# KiCad board SparkFun_IM19_IMU_Breakout_panelized.kicad_pcb (continued)
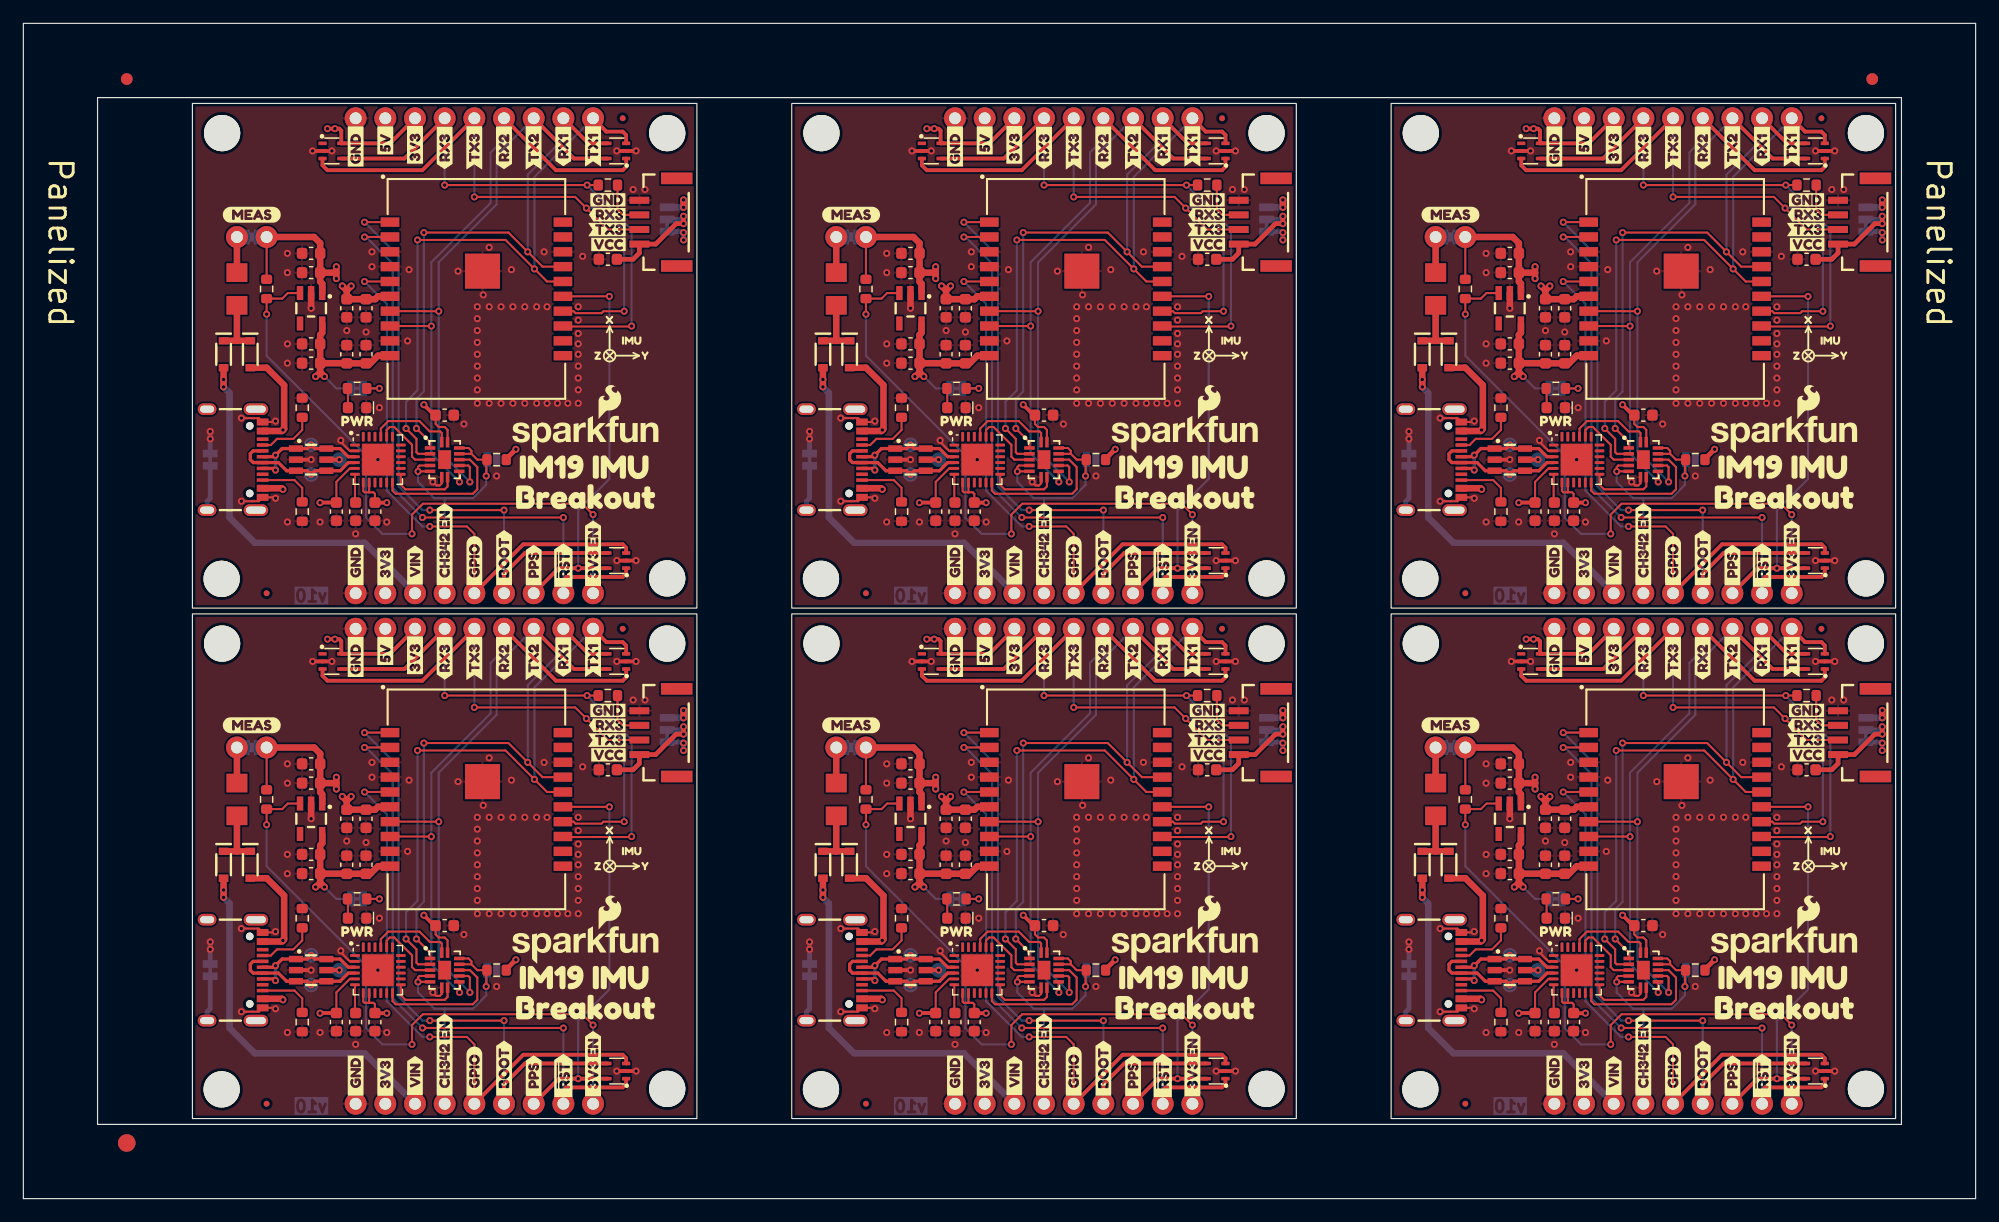
[diagram p0: board, top side]
## Routing (per net, layer and track width the routed paths; a pad name or vN(x,y) marks a point on that pad's centre or on a via; arc(x,y) is an arc through that point) (continued)
  In2.Cu w0.559: v1(26.79,78.72) 26.79,88.25 J2#3.8 35.43,88 53.97,88 v1(56.51,85.46) v1(56.51,84.82) ; v1(78.09,78.72) 78.09,88.25 J2#4.8 86.72,88 105.27,88 v1(107.81,85.46) v1(107.81,84.82) ; v1(159.11,84.82) v1(159.11,85.46) 156.57,88 138.03,88 J2#6.8 129.39,88.25 v1(129.39,78.72) ; v1(129.39,35.04) 129.39,44.57 J2#5.8 138.03,44.31 156.57,44.31 v1(159.11,41.78) v1(159.11,41.14) ; v1(78.09,35.04) 78.09,44.57 J2#2.8 86.72,44.31 105.27,44.31 v1(107.81,41.78) v1(107.81,41.14) ; v1(56.51,41.14) v1(56.51,41.78) 53.97,44.31 35.43,44.31 J2.8 26.79,44.57 v1(26.79,35.04)
  Bottom w0.559: VCC.1#4.3 v1(159.11,84.82) v1(159.11,85.46) ; v1(107.81,85.46) v1(107.81,84.82) VCC.1#3.3 ; v1(107.81,41.78) v1(107.81,41.14) VCC.1#5.3 ; v1(159.11,41.78) v1(159.11,41.14) VCC.1#6.3 ; v1(56.51,85.46) v1(56.51,84.82) VCC.1#2.3 ; VCC.1.3 v1(56.51,41.14) v1(56.51,41.78)
GND: length 116.5
  Top w0.178: v1(129.77,64.88) 129.77,64.75 130.54,63.98 U1#5.2 ; U1#3.2 79.24,63.98 78.47,64.75 v1(78.47,64.88) ; v1(69.96,23.11) 71.45,23.11 J3#2.GND 72.81,22.78 v1(72.88,22.85) ; U1.2 27.94,20.3 27.17,21.07 v1(27.17,21.2) ; v1(72.88,16.25) 72.81,16.33 J3#2.GND 71.45,15.99 v1(69.96,15.99) ; v1(86.34,17.64) 86.65,17.34 86.93,17.34 87.11,17.52 U4#4.7 ; U1#4.2 79.24,20.3 78.47,21.07 v1(78.47,21.2) ; v1(124.18,22.85) 124.11,22.78 J3#3.GND 122.75,23.11 v1(121.26,23.11) ; v1(124.18,16.25) 124.11,16.33 J3#3.GND 122.75,15.99 v1(121.26,15.99) ; U4.7 138.41,17.52 138.23,17.34 137.95,17.34 v1(137.64,17.64) ; v1(21.58,22.85) 21.51,22.78 J3.GND 20.15,23.11 v1(18.66,23.11) ; v1(72.88,66.53) 72.81,66.45 J3#4.GND 71.45,66.79 v1(69.96,66.79) ; v1(129.77,21.2) 129.77,21.07 130.54,20.3 U1#6.2 ; v1(18.66,66.79) 20.15,66.79 J3#6.GND 21.51,66.45 v1(21.58,66.53) ; v1(21.58,16.25) 21.51,16.33 J3.GND 20.15,15.99 v1(18.66,15.99) ; U4#2.7 35.81,17.52 35.63,17.34 35.35,17.34 v1(35.04,17.64) ; v1(124.18,59.93) 124.11,60 J3#5.GND 122.75,59.67 v1(121.26,59.67) ; v1(27.17,64.88) 27.17,64.75 27.94,63.98 U1#2.2 ; v1(21.58,59.93) 21.51,60 J3#6.GND 20.15,59.67 v1(18.66,59.67) ; v1(72.88,59.93) 72.81,60 J3#4.GND 71.45,59.67 v1(69.96,59.67) ; v1(121.26,66.79) 122.75,66.79 J3#5.GND 124.11,66.45 v1(124.18,66.53) ; v1(35.04,61.33) 35.35,61.02 35.63,61.02 35.81,61.2 U4#3.7 ; U4#5.7 87.11,61.2 86.93,61.02 86.65,61.02 v1(86.34,61.33) ; U4#6.7 138.41,61.2 138.23,61.02 137.95,61.02 v1(137.64,61.33)
  Top w0.33: v1(127.36,45.97) D5#5.2 v1(129.01,45.97) ; v1(24.76,89.65) D5#3.2 v1(26.41,89.65) ; v1(26.41,45.97) D5.2 v1(24.76,45.97) ; v1(50.79,10.91) D7.2 v1(52.44,10.91) ; v1(52.44,89.65) D4#3.2 v1(50.79,89.65) ; v1(153.39,89.65) D4#6.2 v1(155.04,89.65) ; v1(52.44,54.59) D7#4.2 v1(50.79,54.59) ; v1(103.74,54.59) D7#5.2 v1(102.09,54.59) ; v1(77.71,45.97) D5#2.2 v1(76.06,45.97) ; v1(76.06,89.65) D5#6.2 v1(77.71,89.65) ; v1(103.74,10.91) D7#3.2 v1(102.09,10.91) ; D6#2.2 v1(24.63,63.23) ; v1(155.04,54.59) D7#2.2 v1(153.39,54.59) ; D6#4.2 v1(127.23,19.55) ; D6#5.2 v1(127.23,63.23) ; v1(102.09,89.65) D4#5.2 v1(103.74,89.65) ; v1(50.79,45.97) D4.2 v1(52.44,45.97) ; v1(102.09,45.97) D4#2.2 v1(103.74,45.97) ; D6.2 v1(24.63,19.55) ; v1(129.01,89.65) D5#4.2 v1(127.36,89.65) ; D6#3.2 v1(75.93,19.55) ; D6#6.2 v1(75.93,63.23) ; v1(155.04,10.91) D7#6.2 v1(153.39,10.91) ; v1(153.39,45.97) D4#4.2 v1(155.04,45.97)
  Top w0.559: U3.2 v1(24.63,32.5) ; U3#5.2 v1(75.93,32.5) ; U3#4.2 v1(127.23,32.5) ; U3#3.2 v1(75.93,76.18) ; U3#6.2 v1(127.23,76.18) ; U3#2.2 v1(24.63,76.18)
  In1.Cu w0.406: v1(67.29,65.01) v1(67.29,65.64) ; v1(67.29,21.33) v1(67.29,21.96) ; v1(118.59,21.33) v1(118.59,21.96) ; v1(118.59,65.01) v1(118.59,65.64) ; v1(15.99,65.01) v1(15.99,65.64) ; v1(15.99,21.33) v1(15.99,21.96)
  Bottom w0.406: SHLD1.1 v1(15.99,21.33) v1(15.99,21.96) ; v1(67.29,21.96) v1(67.29,21.33) SHLD1#4.1 ; SHLD1#3.1 v1(15.99,65.01) v1(15.99,65.64) ; v1(67.29,65.64) v1(67.29,65.01) SHLD1#2.1 ; v1(118.59,21.96) v1(118.59,21.33) SHLD1#5.1 ; v1(118.59,65.64) v1(118.59,65.01) SHLD1#6.1
  vias: v1(22.6,80.88) v1(22.6,79.23) v1(22.6,73.14) v1(22.6,71.48) v1(22.6,57.9) v1(22.6,37.2) v1(22.6,35.55) v1(22.6,29.46) v1(22.6,27.81) v1(22.6,14.22) v1(25.39,57.9) v1(25.39,14.22) v1(27.68,74.28) v1(27.68,30.6) v1(28.44,56.88) v1(28.44,13.2) v1(29.33,74.15) v1(29.33,30.47) v1(29.84,81.01) v1(29.84,79.74) v1(29.84,37.33) v1(29.84,36.06) v1(30.34,63.23) v1(30.34,19.55) v1(30.47,67.68) v1(30.47,24) v1(31.11,57.9) v1(31.11,14.22) v1(32.89,73.39) v1(32.89,29.71) v1(33.01,79.49) v1(33.01,35.81) v1(37.2,79.36) v1(37.2,35.68) v1(37.71,66.28) v1(37.71,22.6) v1(38.85,76.31) v1(38.85,75.3) v1(38.85,74.28) v1(38.85,73.26) v1(38.85,72.25) v1(38.85,71.23) v1(38.85,70.22) v1(38.85,69.2) v1(38.85,68.06) v1(38.85,32.63) v1(38.85,31.62) v1(38.85,30.6) v1(38.85,29.58) v1(38.85,28.57) v1(38.85,27.55) v1(38.85,26.53) v1(38.85,25.52) v1(38.85,24.38) v1(39.36,77.33) v1(39.36,33.65) v1(39.87,81.39) v1(39.87,76.31) v1(39.87,68.06) v1(39.87,37.71) v1(39.87,32.63) v1(39.87,24.38) v1(40.5,61.83) v1(40.5,18.15) v1(40.89,76.31) v1(40.89,68.06) v1(40.89,32.63) v1(40.89,24.38) v1(41.78,79.49) v1(41.78,35.81) v1(41.9,76.31) v1(41.9,68.06) v1(41.9,32.63) v1(41.9,24.38) v1(42.92,76.31) v1(42.92,68.06) v1(42.92,32.63) v1(42.92,24.38) v1(43.93,76.31) v1(43.93,68.06) v1(43.93,32.63) v1(43.93,24.38) v1(44.57,81.01) v1(44.57,37.33) v1(44.82,76.31) v1(44.82,68.06) v1(44.82,32.63) v1(44.82,24.38) v1(45.71,68.06) v1(45.71,24.38) v1(46.6,68.06) v1(46.6,24.38) v1(47.49,76.31) v1(47.49,75.17) v1(47.49,74.03) v1(47.49,73.14) v1(47.49,72.25) v1(47.49,71.23) v1(47.49,70.22) v1(47.49,69.2) v1(47.49,68.06) v1(47.49,32.63) v1(47.49,31.49) v1(47.49,30.34) v1(47.49,29.46) v1(47.49,28.57) v1(47.49,27.55) v1(47.49,26.53) v1(47.49,25.52) v1(47.49,24.38) v1(47.87,80.63) v1(47.87,36.95) v1(52.19,86.34) v1(52.19,42.66) v1(53.21,86.34) v1(53.21,42.66) v1(73.9,80.88) v1(73.9,79.23) v1(73.9,73.14) v1(73.9,71.48) v1(73.9,57.9) v1(73.9,37.2) v1(73.9,35.55) v1(73.9,29.46) v1(73.9,27.81) v1(73.9,14.22) v1(76.69,57.9) v1(76.69,14.22) v1(78.98,74.28) v1(78.98,30.6) v1(79.74,56.88) v1(79.74,13.2) v1(80.63,74.15) v1(80.63,30.47) v1(81.14,81.01) v1(81.14,79.74) v1(81.14,37.33) v1(81.14,36.06) v1(81.65,63.23) v1(81.65,19.55) v1(81.77,67.68) v1(81.77,24) v1(82.41,57.9) v1(82.41,14.22) v1(84.19,73.39) v1(84.19,29.71) v1(84.31,79.49) v1(84.31,35.81) v1(88.5,79.36) v1(88.5,35.68) v1(89.01,66.28) v1(89.01,22.6) v1(90.15,76.31) v1(90.15,75.3) v1(90.15,74.28) v1(90.15,73.26) v1(90.15,72.25) v1(90.15,71.23) v1(90.15,70.22) v1(90.15,69.2) v1(90.15,68.06) v1(90.15,32.63) v1(90.15,31.62) v1(90.15,30.6) v1(90.15,29.58) v1(90.15,28.57) v1(90.15,27.55) v1(90.15,26.53) v1(90.15,25.52) v1(90.15,24.38) v1(90.66,77.33) v1(90.66,33.65) v1(91.17,81.39) v1(91.17,76.31) v1(91.17,68.06) v1(91.17,37.71) v1(91.17,32.63) v1(91.17,24.38) v1(91.81,61.83) v1(91.81,18.15) v1(92.19,76.31) v1(92.19,68.06) v1(92.19,32.63) v1(92.19,24.38) v1(93.08,79.49) v1(93.08,35.81) v1(93.2,76.31) v1(93.2,68.06) v1(93.2,32.63) v1(93.2,24.38) v1(94.22,76.31) v1(94.22,68.06) v1(94.22,32.63) v1(94.22,24.38) v1(95.23,76.31) v1(95.23,68.06) v1(95.23,32.63) v1(95.23,24.38) v1(95.87,81.01) v1(95.87,37.33) v1(96.12,76.31) v1(96.12,68.06) v1(96.12,32.63) v1(96.12,24.38) v1(97.01,68.06) v1(97.01,24.38) v1(97.9,68.06) v1(97.9,24.38) v1(98.79,76.31) v1(98.79,75.17) v1(98.79,74.03) v1(98.79,73.14) v1(98.79,72.25) v1(98.79,71.23) v1(98.79,70.22) v1(98.79,69.2) v1(98.79,68.06) v1(98.79,32.63) v1(98.79,31.49) v1(98.79,30.34) v1(98.79,29.46) v1(98.79,28.57) v1(98.79,27.55) v1(98.79,26.53) v1(98.79,25.52) v1(98.79,24.38) v1(99.17,80.63) v1(99.17,36.95) v1(103.49,86.34) v1(103.49,42.66) v1(104.5,86.34) v1(104.5,42.66) v1(125.2,80.88) v1(125.2,79.23) v1(125.2,73.14) v1(125.2,71.48) v1(125.2,57.9) v1(125.2,37.2) v1(125.2,35.55) v1(125.2,29.46) v1(125.2,27.81) v1(125.2,14.22) v1(127.99,57.9) v1(127.99,14.22) v1(130.28,74.28) v1(130.28,30.6) v1(131.04,56.88) v1(131.04,13.2) v1(131.93,74.15) v1(131.93,30.47) v1(132.44,81.01) v1(132.44,79.74) v1(132.44,37.33) v1(132.44,36.06) v1(132.94,63.23) v1(132.94,19.55) v1(133.07,67.68) v1(133.07,24) v1(133.71,57.9) v1(133.71,14.22) v1(135.49,73.39) v1(135.49,29.71) v1(135.61,79.49) v1(135.61,35.81) v1(139.8,79.36) v1(139.8,35.68) v1(140.31,66.28) v1(140.31,22.6) v1(141.45,76.31) v1(141.45,75.3) v1(141.45,74.28) v1(141.45,73.26) v1(141.45,72.25) v1(141.45,71.23) v1(141.45,70.22) v1(141.45,69.2) v1(141.45,68.06) v1(141.45,32.63) v1(141.45,31.62) v1(141.45,30.6) v1(141.45,29.58) v1(141.45,28.57) v1(141.45,27.55) v1(141.45,26.53) v1(141.45,25.52) v1(141.45,24.38) v1(141.96,77.33) v1(141.96,33.65) v1(142.47,81.39) v1(142.47,76.31) v1(142.47,68.06) v1(142.47,37.71) v1(142.47,32.63) v1(142.47,24.38) v1(143.11,61.83) v1(143.11,18.15) v1(143.49,76.31) v1(143.49,68.06) v1(143.49,32.63) v1(143.49,24.38) v1(144.38,79.49) v1(144.38,35.81) v1(144.5,76.31) v1(144.5,68.06) v1(144.5,32.63) v1(144.5,24.38) v1(145.52,76.31) v1(145.52,68.06) v1(145.52,32.63) v1(145.52,24.38) v1(146.53,76.31) v1(146.53,68.06) v1(146.53,32.63) v1(146.53,24.38) v1(147.17,81.01) v1(147.17,37.33) v1(147.42,76.31) v1(147.42,68.06) v1(147.42,32.63) v1(147.42,24.38) v1(148.31,68.06) v1(148.31,24.38) v1(149.2,68.06) v1(149.2,24.38) v1(150.09,76.31) v1(150.09,75.17) v1(150.09,74.03) v1(150.09,73.14) v1(150.09,72.25) v1(150.09,71.23) v1(150.09,70.22) v1(150.09,69.2) v1(150.09,68.06) v1(150.09,32.63) v1(150.09,31.49) v1(150.09,30.34) v1(150.09,29.46) v1(150.09,28.57) v1(150.09,27.55) v1(150.09,26.53) v1(150.09,25.52) v1(150.09,24.38) v1(150.47,80.63) v1(150.47,36.95) v1(154.79,86.34) v1(154.79,42.66) v1(155.8,86.34) v1(155.8,42.66)
VIN: length 197.1
  Top w0.559: D2.2 v1(17.14,26.41) v1(17.14,25.77) ; v1(119.74,69.45) v1(119.74,70.09) D2#5.2 ; D2#4.2 v1(68.44,26.41) v1(68.44,25.77) ; v1(17.14,69.45) v1(17.14,70.09) D2#2.2 ; D2#3.2 v1(68.44,70.09) v1(68.44,69.45) ; D2#6.2 v1(119.74,26.41) v1(119.74,25.77)
  In2.Cu w0.559: v1(17.14,70.09) v1(17.14,69.45) ; v1(68.44,70.09) v1(68.44,69.45) ; v1(68.44,26.41) v1(68.44,25.77) ; v1(17.14,26.41) v1(17.14,25.77) ; v1(119.74,26.41) v1(119.74,25.77) ; v1(119.74,70.09) v1(119.74,69.45)
  Bottom w0.559: J4#6.7 131.8,56.12 122.4,56.12 120.25,58.28 120.25,68.94 v1(119.74,69.45) v1(119.74,70.09) ; v1(119.74,26.41) v1(119.74,25.77) 120.25,25.27 120.25,14.6 122.4,12.44 131.8,12.44 J4#2.7 ; v1(17.14,70.09) v1(17.14,69.45) 17.65,68.94 17.65,58.28 19.8,56.12 29.2,56.12 J4#4.7 ; v1(17.14,26.41) v1(17.14,25.77) 17.65,25.27 17.65,14.6 19.8,12.44 29.2,12.44 J4.7 ; J4#3.7 80.5,12.44 71.1,12.44 68.94,14.6 68.94,25.27 v1(68.44,25.77) v1(68.44,26.41) ; J4#5.7 80.5,56.12 71.1,56.12 68.94,58.28 68.94,68.94 v1(68.44,69.45) v1(68.44,70.09)
BOOT: length 325.3
  Top w0.178: v1(92.44,58.91) v1(86.09,58.91) ; v1(80.5,83.55) 80.51,83.56 82.68,83.56 ; v1(29.2,83.55) 29.21,83.56 31.38,83.56 ; v1(131.8,83.55) 131.81,83.56 133.98,83.56 ; v1(143.74,58.91) v1(137.39,58.91) ; U2#6.1 131.81,39.88 v1(131.8,39.87) ; v1(143.74,15.23) v1(137.39,15.23) ; v1(29.2,39.87) 29.21,39.88 U2.1 ; v1(41.14,58.91) v1(34.79,58.91) ; v1(80.5,39.87) 80.51,39.88 U2#4.1 ; v1(41.14,15.23) v1(34.79,15.23) ; v1(92.44,15.23) v1(86.09,15.23)
  Top w0.33: J4#4.4 41.14,53.45 42.93,55.24 D7#4.4 ; J4#2.4 143.74,9.77 145.53,11.56 D7#6.4 ; J4#5.4 92.44,53.45 94.23,55.24 D7#5.4 ; D7#3.4 94.23,11.56 92.44,9.77 J4#3.4 ; D7.4 42.93,11.56 41.14,9.77 J4.4 ; J4#6.4 143.74,53.45 145.53,55.24 D7#2.4
  Bottom w0.178: v1(137.39,58.91) 136.75,58.91 134.72,60.94 134.72,80.63 v1(131.8,83.55) ; v1(34.79,15.23) 34.16,15.23 32.12,17.26 32.12,36.95 v1(29.2,39.87) ; J4#2.4 v1(143.74,15.23) ; v1(29.2,83.55) 32.12,80.63 32.12,60.94 34.16,58.91 v1(34.79,58.91) ; v1(137.39,15.23) 136.75,15.23 134.72,17.26 134.72,36.95 v1(131.8,39.87) ; J4.4 v1(41.14,15.23) ; v1(80.5,83.55) 83.42,80.63 83.42,60.94 85.46,58.91 v1(86.09,58.91) ; J4#6.4 v1(143.74,58.91) ; J4#5.4 v1(92.44,58.91) ; J4#4.4 v1(41.14,58.91) ; v1(80.5,39.87) 83.42,36.95 83.42,17.26 85.46,15.23 v1(86.09,15.23) ; J4#3.4 v1(92.44,15.23)
CH342_EN: length 156.1
  Top w0.178: U4#4.6 85.09,18.55 v1(85.08,18.54) 85.08,18.92 85.21,19.05 U4#4.5 ; U4#3.12 38.35,63.73 ; 38.35,63.73 38.35,63.98 38.11,64.23 U4#3.13 ; 38.35,63.73 38.85,63.23 R2#3.1 39.62,63.17 v1(39.62,61.83) ; U4.12 140.95,20.05 ; 140.95,20.05 140.95,20.3 140.71,20.55 U4.13 ; 140.95,20.05 141.45,19.55 R2#4.1 142.22,19.49 v1(142.22,18.15) ; U4#3.5 33.91,62.73 33.78,62.6 v1(33.78,62.22) 33.79,62.23 U4#3.6 ; v1(39.62,18.15) 39.62,19.49 R2.1 38.85,19.55 38.35,20.05 ; 140.95,63.73 140.95,63.98 140.71,64.23 U4#6.13 ; 140.95,63.73 141.45,63.23 R2#2.1 142.22,63.17 v1(142.22,61.83) ; 140.95,63.73 U4#6.12 ; U4#4.13 89.41,20.55 89.65,20.3 89.65,20.05 ; U4#2.5 33.91,19.05 33.78,18.92 v1(33.78,18.54) 33.79,18.55 U4#2.6 ; 89.65,20.05 90.15,19.55 R2#6.1 90.92,19.49 v1(90.92,18.15) ; 89.65,20.05 U4#4.12 ; U4#5.6 85.09,62.23 v1(85.08,62.22) 85.08,62.6 85.21,62.73 U4#5.5 ; U4#5.13 89.41,64.23 89.65,63.98 89.65,63.73 ; U4.5 136.51,19.05 136.38,18.92 v1(136.38,18.54) 136.39,18.55 U4.6 ; 89.65,63.73 90.15,63.23 R2#5.1 90.92,63.17 v1(90.92,61.83) ; 89.65,63.73 U4#5.12 ; 38.35,20.05 38.35,20.3 38.11,20.55 U4#2.13 ; 38.35,20.05 U4#2.12 ; U4#6.5 136.51,62.73 136.38,62.6 v1(136.38,62.22) 136.39,62.23 U4#6.6
  Bottom w0.178: CH342_EN.1#3.2 142.29,61.91 v1(142.22,61.83) 142.22,61.07 141.07,59.93 138.66,59.93 ; v1(85.08,62.22) 85.07,62.21 85.07,61.33 86.47,59.93 87.36,59.93 ; 36.06,59.93 38.47,59.93 39.62,61.07 v1(39.62,61.83) 39.69,61.91 CH342_EN.1#2.2 ; 36.06,59.93 J4#4.6 ; 36.06,59.93 35.17,59.93 33.77,61.33 33.77,62.21 v1(33.78,62.22) ; 87.36,16.25 J4#3.6 ; 87.36,16.25 89.77,16.25 90.92,17.39 v1(90.92,18.15) 90.99,18.23 CH342_EN.1#4.2 ; 87.36,16.25 86.47,16.25 85.07,17.64 85.07,18.53 v1(85.08,18.54) ; 138.66,16.25 137.77,16.25 136.37,17.64 136.37,18.53 v1(136.38,18.54) ; 138.66,16.25 J4#2.6 ; 138.66,16.25 141.07,16.25 142.22,17.39 v1(142.22,18.15) 142.29,18.23 CH342_EN.1#6.2 ; v1(136.38,62.22) 136.37,62.21 136.37,61.33 137.77,59.93 138.66,59.93 ; 36.06,16.25 35.17,16.25 33.77,17.64 33.77,18.53 v1(33.78,18.54) ; 36.06,16.25 J4.6 ; 36.06,16.25 38.47,16.25 39.62,17.39 v1(39.62,18.15) 39.69,18.23 CH342_EN.1.2 ; 87.36,59.93 89.77,59.93 90.92,61.07 v1(90.92,61.83) 90.99,61.91 CH342_EN.1#5.2 ; 87.36,59.93 J4#5.6 ; 138.66,59.93 J4#6.6
D+: length 67.1
  Top w0.278: J3.A6 21.45,19.8 v1(21.58,19.93) 22.15,20.5 D6.1 24.31,20.5 v1(24.63,20.82) 24.95,20.5 D6.6 27.11,20.5 27.81,19.8 U1.3 ; v1(72.88,62.34) 72.74,62.48 J3#4.B6 ; U1#3.3 79.11,63.48 78.41,64.18 D6#6.6 76.25,64.18 v1(75.93,64.5) 75.61,64.18 D6#6.1 73.45,64.18 v1(72.88,63.61) 72.75,63.48 J3#4.A6 ; U1#6.3 130.41,19.8 129.71,20.5 D6#4.6 127.55,20.5 v1(127.23,20.82) 126.91,20.5 D6#4.1 124.75,20.5 v1(124.18,19.93) 124.05,19.8 J3#3.A6 ; v1(21.58,18.66) 21.44,18.8 J3.B6 ; J3#5.B6 124.04,62.48 v1(124.18,62.34) ; J3#3.B6 124.04,18.8 v1(124.18,18.66) ; J3#6.A6 21.45,63.48 v1(21.58,63.61) 22.15,64.18 D6#2.1 24.31,64.18 v1(24.63,64.5) 24.95,64.18 D6#2.6 27.11,64.18 27.81,63.48 U1#2.3 ; v1(21.58,62.34) 21.44,62.48 J3#6.B6 ; U1#5.3 130.41,63.48 129.71,64.18 D6#5.6 127.55,64.18 v1(127.23,64.5) 126.91,64.18 D6#5.1 124.75,64.18 v1(124.18,63.61) 124.05,63.48 J3#5.A6 ; v1(72.88,18.66) 72.74,18.8 J3#2.B6 ; U1#4.3 79.11,19.8 78.41,20.5 D6#3.6 76.25,20.5 v1(75.93,20.82) 75.61,20.5 D6#3.1 73.45,20.5 v1(72.88,19.93) 72.75,19.8 J3#2.A6
  Bottom w0.278: v1(124.18,19.93) v1(124.18,18.66) ; v1(124.18,63.61) v1(124.18,62.34) ; v1(21.58,19.93) v1(21.58,18.66) ; v1(21.58,63.61) v1(21.58,62.34) ; v1(72.88,19.93) v1(72.88,18.66) ; v1(72.88,63.61) v1(72.88,62.34)
D-: length 69.4
  Top w0.278: U1#6.4 130.41,19.3 129.71,18.6 D6#4.4 127.55,18.6 v1(127.23,18.28) 126.91,18.6 D6#4.3 125.13,18.6 124.43,19.3 J3#3.A7 122.27,19.3 122.02,19.55 122.02,20.06 122.27,20.3 J3#3.B7 ; U1#2.4 27.81,62.98 27.11,62.28 D6#2.4 24.95,62.28 v1(24.63,61.96) 24.31,62.28 D6#2.3 22.53,62.28 21.83,62.98 J3#6.A7 19.67,62.98 19.42,63.23 19.42,63.74 19.67,63.98 J3#6.B7 ; U1#3.4 79.11,62.98 78.41,62.28 D6#6.4 76.25,62.28 v1(75.93,61.96) 75.61,62.28 D6#6.3 73.83,62.28 73.13,62.98 J3#4.A7 70.97,62.98 70.72,63.23 70.72,63.74 70.97,63.98 J3#4.B7 ; U1#5.4 130.41,62.98 129.71,62.28 D6#5.4 127.55,62.28 v1(127.23,61.96) 126.91,62.28 D6#5.3 125.13,62.28 124.43,62.98 J3#5.A7 122.27,62.98 122.02,63.23 122.02,63.74 122.27,63.98 J3#5.B7 ; U1#4.4 79.11,19.3 78.41,18.6 D6#3.4 76.25,18.6 v1(75.93,18.28) 75.61,18.6 D6#3.3 73.83,18.6 73.13,19.3 J3#2.A7 70.97,19.3 70.72,19.55 70.72,20.06 70.97,20.3 J3#2.B7 ; U1.4 27.81,19.3 27.11,18.6 D6.4 24.95,18.6 v1(24.63,18.28) 24.31,18.6 D6.3 22.53,18.6 21.83,19.3 J3.A7 19.67,19.3 19.42,19.55 19.42,20.06 19.67,20.3 J3.B7
GPIO: length 301.7
  Top w0.178: v1(34.79,13.84) 37.97,13.84 38.6,13.2 J4.5 ; J4#6.5 141.2,56.88 140.56,57.52 v1(137.39,57.52) ; v1(131.8,34.79) 131.81,34.8 U2#6.5 ; v1(131.8,78.47) 131.81,78.47 U2#2.5 ; v1(137.39,13.84) 140.56,13.84 141.2,13.2 J4#2.5 ; v1(86.09,13.84) 89.27,13.84 89.9,13.2 J4#3.5 ; U2#3.5 29.21,78.47 v1(29.2,78.47) ; v1(80.5,34.79) 80.51,34.8 U2#4.5 ; J4#5.5 89.9,56.88 89.27,57.52 v1(86.09,57.52) ; v1(29.2,34.79) 29.21,34.8 U2.5 ; v1(34.79,57.52) 37.97,57.52 38.6,56.88 J4#4.5 ; U2#5.5 80.51,78.47 v1(80.5,78.47)
  Top w0.33: J4#3.5 94.09,12.31 102.6,12.31 102.89,12.02 D7#3.3 ; D7#2.3 154.19,55.7 153.9,55.99 145.39,55.99 J4#6.5 ; J4#2.5 145.39,12.31 153.9,12.31 154.19,12.02 D7#6.3 ; J4#4.5 42.79,55.99 51.3,55.99 51.59,55.7 D7#4.3 ; D7.3 51.59,12.02 51.3,12.31 42.79,12.31 J4.5 ; D7#5.3 102.89,55.7 102.6,55.99 94.09,55.99 J4#5.5
  Bottom w0.178: v1(137.39,57.52) 136.75,57.52 133.71,60.56 133.71,76.56 v1(131.8,78.47) ; v1(80.5,34.79) 82.41,32.89 82.41,16.88 85.46,13.84 v1(86.09,13.84) ; v1(34.79,57.52) 34.16,57.52 31.11,60.56 31.11,76.56 v1(29.2,78.47) ; v1(80.5,78.47) 82.41,76.56 82.41,60.56 85.46,57.52 v1(86.09,57.52) ; v1(29.2,34.79) 31.11,32.89 31.11,16.88 34.16,13.84 v1(34.79,13.84) ; v1(131.8,34.79) 133.71,32.89 133.71,16.88 136.75,13.84 v1(137.39,13.84)
PPS: length 213.2
  Top w0.178: v1(101.46,77.2) 101.45,77.21 U2#5.15 ; v1(152.76,33.52) 152.75,33.53 148.78,33.53 ; 97.48,33.53 101.45,33.53 v1(101.46,33.52) ; U2#3.15 50.15,77.21 v1(50.16,77.2) ; 46.18,33.53 50.15,33.53 v1(50.16,33.52) ; U2#2.15 152.75,77.21 v1(152.76,77.2)
  Top w0.33: D7#4.5 v1(47.49,53.94) 45.82,53.94 J4#4.3 ; D7#3.5 v1(98.79,10.26) 97.12,10.26 J4#3.3 ; D7.5 v1(47.49,10.26) 45.82,10.26 J4.3 ; D7#5.5 v1(98.79,53.94) 97.12,53.94 J4#5.3 ; D7#6.5 v1(150.09,10.26) 148.42,10.26 J4#2.3 ; D7#2.5 v1(150.09,53.94) 148.42,53.94 J4#6.3
  Bottom w0.178: v1(47.49,53.94) 47.49,58.91 50.16,61.58 v1(50.16,77.2) ; v1(101.46,77.2) 101.46,61.58 98.79,58.91 v1(98.79,53.94) ; v1(152.76,77.2) 152.76,61.58 150.09,58.91 v1(150.09,53.94) ; v1(152.76,33.52) 152.76,17.9 150.09,15.23 v1(150.09,10.26) ; v1(50.16,33.52) 50.16,17.9 47.49,15.23 v1(47.49,10.26) ; v1(101.46,33.52) 101.46,17.9 98.79,15.23 v1(98.79,10.26)
RXD1: length 297.8
  Top w0.178: v1(85.58,38.98) 92.82,38.98 v1(94.47,37.33) 95.74,36.06 U2#4.17 ; v1(34.28,82.66) 41.52,82.66 v1(43.17,81.01) 44.44,79.75 U2#3.17 ; U4#3.2 34.81,64.73 v1(33.65,65.9) ; U2#5.17 95.74,79.75 v1(94.47,81.01) 92.82,82.66 v1(85.58,82.66) ; U4.2 137.41,21.05 v1(136.25,22.22) ; v1(136.25,65.9) 137.41,64.73 U4#6.2 ; U2.17 44.44,36.06 v1(43.17,37.33) 41.52,38.98 v1(34.28,38.98) ; v1(136.88,82.66) 144.12,82.66 v1(145.77,81.01) 147.04,79.75 U2#2.17 ; U4#2.2 34.81,21.05 v1(33.65,22.22) ; U4#4.2 86.11,21.05 v1(84.95,22.22) ; v1(136.88,38.98) 144.12,38.98 v1(145.77,37.33) 147.04,36.06 U2#6.17 ; v1(84.95,65.9) 86.11,64.73 U4#5.2
  Top w0.33: J2#3.2 48.36,90.3 D4#3.4 ; J2#5.2 150.96,46.62 D4#4.4 ; D4.4 48.36,46.62 J2.2 ; J2#6.2 150.96,90.3 D4#6.4 ; D4#2.4 99.66,46.62 J2#2.2 ; J2#4.2 99.66,90.3 D4#5.4
  Bottom w0.178: J2#5.2 148.82,46.98 145.77,43.93 v1(145.77,37.33) ; v1(136.25,65.9) 136.25,68.44 136.88,69.07 v1(136.88,82.66) ; v1(136.88,38.98) 136.88,25.39 136.25,24.76 v1(136.25,22.22) ; v1(85.58,82.66) 85.58,69.07 84.95,68.44 v1(84.95,65.9) ; v1(94.47,81.01) 94.47,87.61 97.52,90.66 J2#4.2 ; J2#2.2 97.52,46.98 94.47,43.93 v1(94.47,37.33) ; v1(85.58,38.98) 85.58,25.39 84.95,24.76 v1(84.95,22.22) ; v1(145.77,81.01) 145.77,87.61 148.82,90.66 J2#6.2 ; v1(43.17,37.33) 43.17,43.93 46.22,46.98 J2.2 ; v1(34.28,82.66) 34.28,69.07 33.65,68.44 v1(33.65,65.9) ; v1(34.28,38.98) 34.28,25.39 33.65,24.76 v1(33.65,22.22) ; v1(43.17,81.01) 43.17,87.61 46.22,90.66 J2#3.2
RXD2: length 313.6
  Top w0.178: v1(37.33,17.64) 37.31,17.67 U4#2.9 ; U4#4.9 88.61,17.67 v1(88.63,17.64) ; v1(137.52,30.98) 136.88,30.98 136.88,30.98 U2#6.8 ; U2#3.8 34.28,74.66 34.28,74.66 v1(34.92,74.66) ; v1(137.52,74.66) 136.88,74.66 136.88,74.66 U2#2.8 ; U4#5.9 88.61,61.34 v1(88.63,61.33) ; U2#4.8 85.58,30.98 85.58,30.98 v1(86.22,30.98) ; U2.8 34.28,30.98 34.28,30.98 v1(34.92,30.98) ; v1(139.93,17.64) 139.91,17.67 U4.9 ; U4#3.9 37.31,61.34 v1(37.33,61.33) ; U2#5.8 85.58,74.66 85.58,74.66 v1(86.22,74.66) ; U4#6.9 139.91,61.34 v1(139.93,61.33)
  Top w0.33: D4#5.1 102.89,88.29 102.6,88 96.89,88 J2#4.4 ; D4#6.1 154.19,88.29 153.9,88 148.19,88 J2#6.4 ; J2.4 45.59,44.31 51.3,44.31 51.59,44.61 D4.1 ; D4#4.1 154.19,44.61 153.9,44.31 148.19,44.31 J2#5.4 ; J2#2.4 96.89,44.31 102.6,44.31 102.89,44.61 D4#2.1 ; J2#3.4 45.59,88 51.3,88 51.59,88.29 D4#3.1
  Bottom w0.178: v1(88.63,17.64) 86.22,20.06 v1(86.22,30.98) 86.22,36.44 91.3,41.52 91.3,45.84 92.44,46.98 J2#2.4 ; J2#4.4 92.44,90.66 91.3,89.52 91.3,85.2 86.22,80.12 v1(86.22,74.66) 86.22,63.74 v1(88.63,61.33) ; v1(37.33,17.64) 34.92,20.06 v1(34.92,30.98) 34.92,36.44 40,41.52 40,45.84 41.14,46.98 J2.4 ; J2#5.4 143.74,46.98 142.6,45.84 142.6,41.52 137.52,36.44 v1(137.52,30.98) 137.52,20.06 v1(139.93,17.64) ; v1(139.93,61.33) 137.52,63.74 v1(137.52,74.66) 137.52,80.12 142.6,85.2 142.6,89.52 143.74,90.66 J2#6.4 ; J2#3.4 41.14,90.66 40,89.52 40,85.2 34.92,80.12 v1(34.92,74.66) 34.92,63.74 v1(37.33,61.33)
RXD3: length 292.2
  Top w0.178: R3#2.1 v1(48.25,86.72) v1(36.06,86.72) ; v1(138.66,43.05) v1(150.85,43.05) R3#4.1 ; v1(87.36,43.05) v1(99.55,43.05) 100.5,43.05 ; U2#3.13 46.22,74.62 52.02,74.62 v1(52.06,74.66) ; 100.5,86.72 v1(99.55,86.72) v1(87.36,86.72) ; U2#2.13 148.82,74.62 154.62,74.62 v1(154.66,74.66) ; v1(103.36,74.66) 103.32,74.62 97.52,74.62 U2#5.13 ; v1(138.66,86.72) v1(150.85,86.72) R3#5.1 ; R3.1 v1(48.25,43.05) v1(36.06,43.05) ; v1(52.06,30.98) 52.02,30.94 46.22,30.94 U2.13 ; v1(103.36,30.98) 103.32,30.94 97.52,30.94 U2#4.13 ; v1(154.66,30.98) 154.62,30.94 148.82,30.94 U2#6.13
  Top w0.33: J2.6 32.62,45.32 D5.4 ; D5#5.4 135.22,45.32 J2#5.6 ; J2#4.6 83.92,89 D5#6.4 ; J2#2.6 83.92,45.32 D5#2.4 ; D5#4.4 135.22,89 J2#6.6 ; D5#3.4 32.62,89 J2#3.6
  Bottom w0.178: v1(87.36,86.72) J2#4.6 ; v1(87.36,43.05) J2#2.6 ; v1(36.06,86.72) J2#3.6 ; v1(52.06,74.66) 52.06,82.91 v1(48.25,86.72) ; v1(52.06,30.98) 52.06,39.23 v1(48.25,43.05) ; v1(99.55,43.05) 103.36,39.23 v1(103.36,30.98) ; v1(36.06,43.05) J2.6 ; v1(154.66,74.66) 154.66,82.91 v1(150.85,86.72) ; v1(103.36,74.66) 103.36,82.91 v1(99.55,86.72) ; v1(138.66,43.05) J2#5.6 ; v1(154.66,30.98) 154.66,39.23 v1(150.85,43.05) ; v1(138.66,86.72) J2#6.6
TXD1: length 319
  Top w0.178: v1(85.04,38.35) 92.57,38.35 v1(95.04,35.87) 96.12,34.8 U2#4.16 ; v1(136.34,38.35) 143.87,38.35 v1(146.34,35.87) 147.42,34.8 U2#6.16 ; U2#2.16 147.42,78.47 v1(146.34,79.55) 143.87,82.03 v1(136.34,82.03) ; U2#5.16 96.12,78.47 v1(95.04,79.55) 92.57,82.03 v1(85.04,82.03) ; U4#6.3 136.38,63.73 136.25,63.87 136.25,65.01 v1(135.36,65.9) ; U4#4.3 85.08,20.05 84.95,20.19 84.95,21.33 v1(84.06,22.22) ; v1(33.74,82.03) 41.27,82.03 v1(43.74,79.55) 44.82,78.47 U2#3.16 ; v1(84.06,65.9) 84.95,65.01 84.95,63.87 85.08,63.73 U4#5.3 ; U4#3.3 33.78,63.73 33.65,63.87 33.65,65.01 v1(32.76,65.9) ; v1(32.76,22.22) 33.65,21.33 33.65,20.19 33.78,20.05 U4#2.3 ; v1(33.74,38.35) 41.27,38.35 v1(43.74,35.87) 44.82,34.8 U2.16 ; U4.3 136.38,20.05 136.25,20.19 136.25,21.33 v1(135.36,22.22)
  Top w0.33: J2#6.1 152.5,91.3 153.9,91.3 154.19,91 D4#6.3 ; J2#3.1 49.9,91.3 51.3,91.3 51.59,91 D4#3.3 ; D4#4.3 154.19,47.33 153.9,47.62 152.5,47.62 J2#5.1 ; D4.3 51.59,47.33 51.3,47.62 49.9,47.62 J2.1 ; J2#2.1 101.2,47.62 102.6,47.62 102.89,47.33 D4#2.3 ; J2#4.1 101.2,91.3 102.6,91.3 102.89,91 D4#5.3
  Bottom w0.178: J2#2.1 95.04,43.74 v1(95.04,35.87) ; v1(85.04,38.35) 85.04,25.48 84.06,24.5 v1(84.06,22.22) ; v1(136.34,38.35) 136.34,25.48 135.36,24.5 v1(135.36,22.22) ; v1(32.76,22.22) 32.76,24.5 33.74,25.48 v1(33.74,38.35) ; v1(95.04,79.55) 95.04,87.42 J2#4.1 ; J2#6.1 146.34,87.42 v1(146.34,79.55) ; v1(85.04,82.03) 85.04,69.16 84.06,68.18 v1(84.06,65.9) ; J2#5.1 146.34,43.74 v1(146.34,35.87) ; v1(43.74,79.55) 43.74,87.42 J2#3.1 ; v1(33.74,82.03) 33.74,69.16 32.76,68.18 v1(32.76,65.9) ; v1(136.34,82.03) 136.34,69.16 135.36,68.18 v1(135.36,65.9) ; J2.1 43.74,43.74 v1(43.74,35.87)
